# Altium PCB PCB2_dirt_routed.PcbDoc (part 2 of 2)
Units mm, origin at the board's own origin, x right, y up, seen from the top; angles counter-clockwise.
Board outline 72 x 72 mm, 4 copper layers (Top Layer, Signal Layer 1, Signal Layer 2, Bottom Layer), stack 0.778 mm thick; 110 components, 127 nets, 562 pads, 275 vias.
Unrouted connection lines stored in the file: 10.
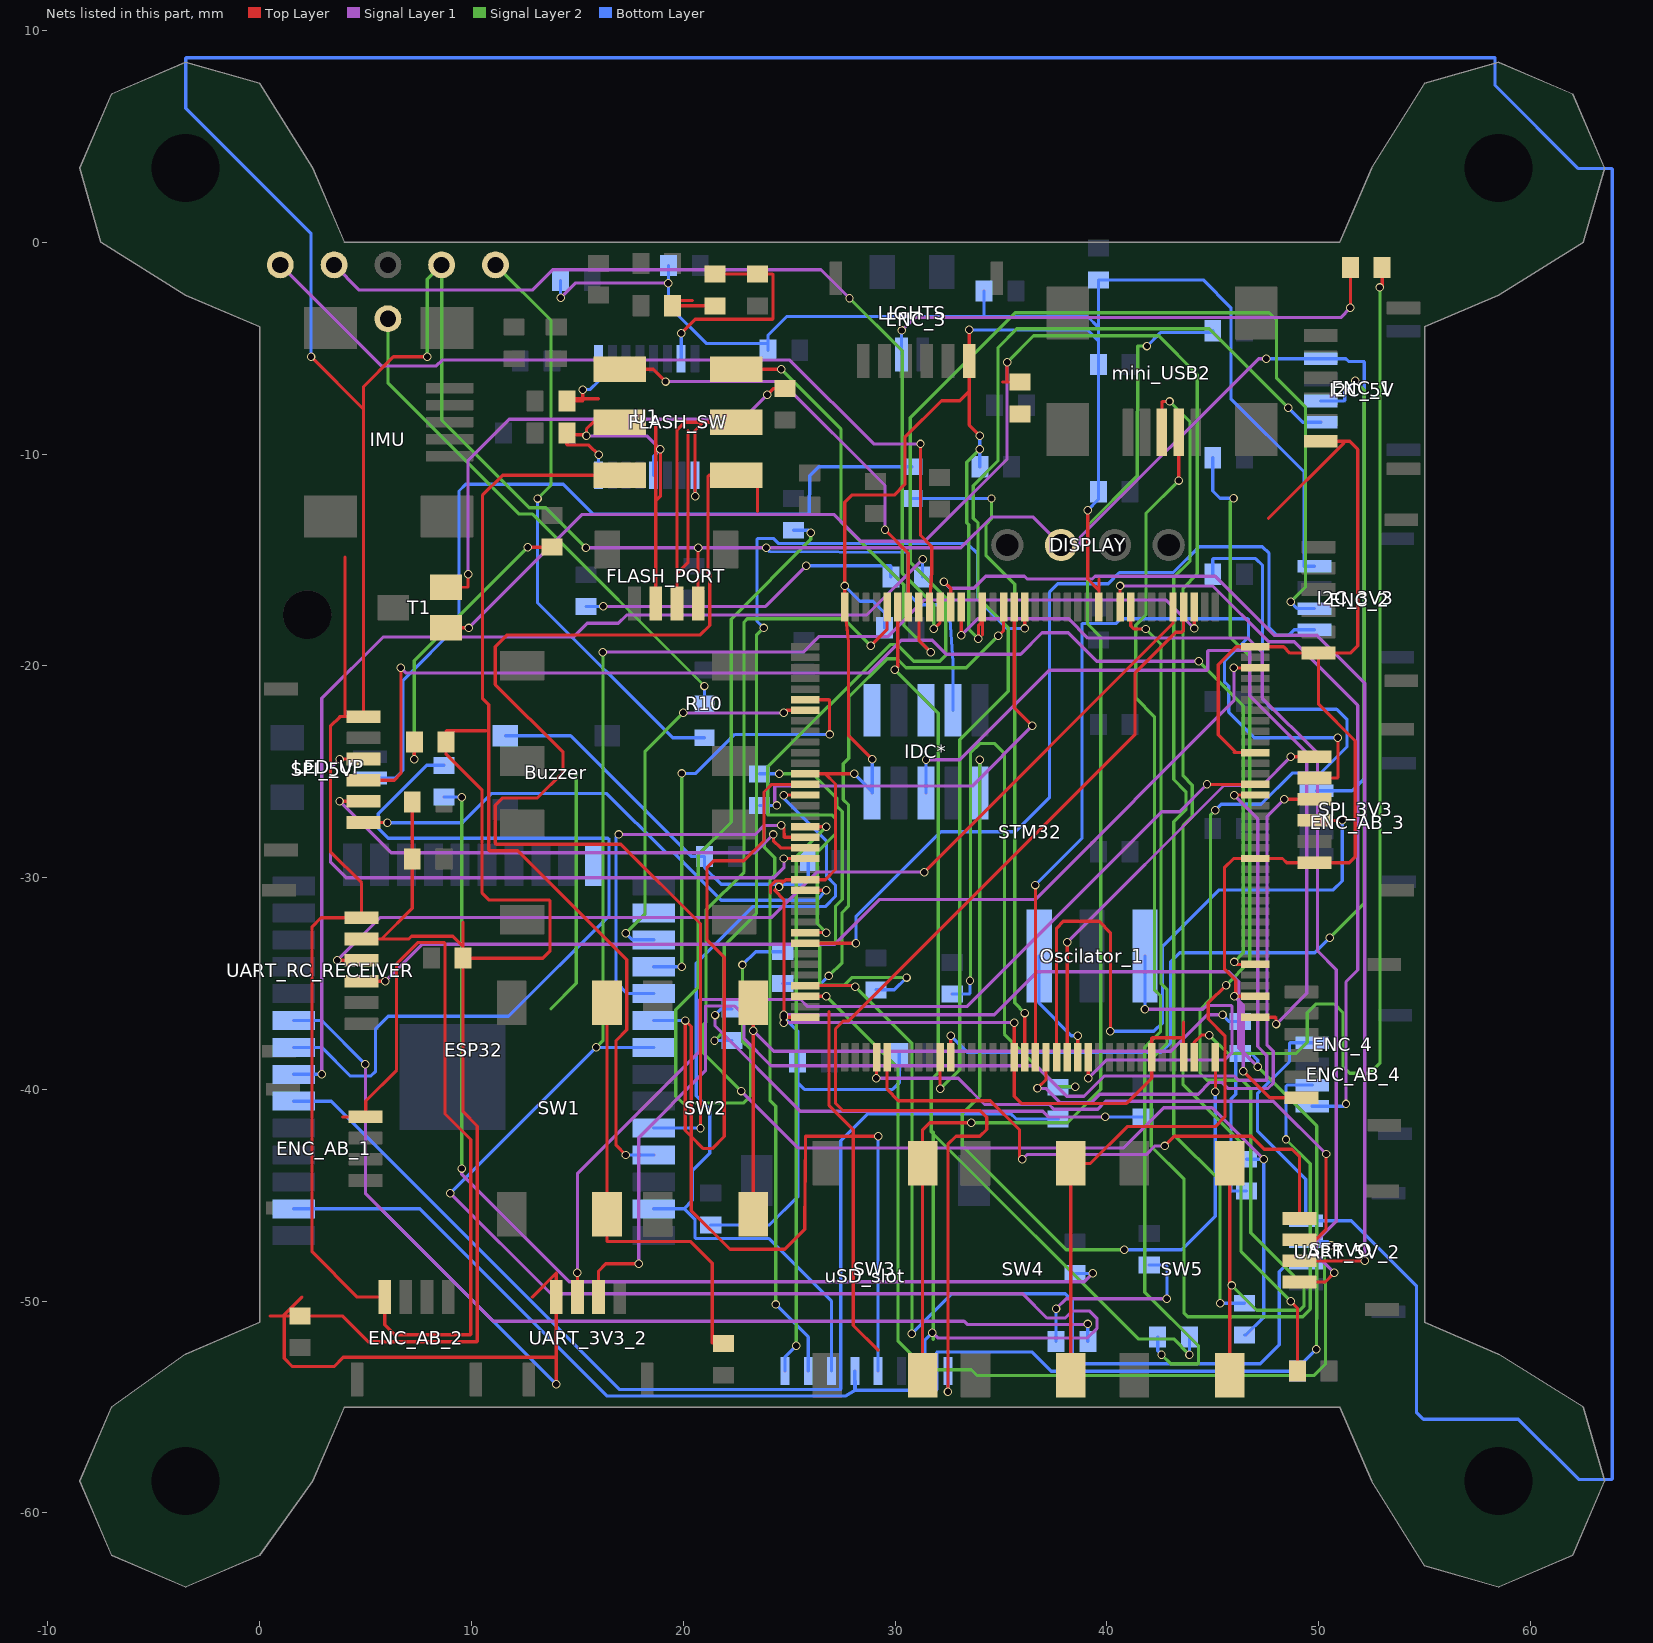
[diagram p4: the nets of this part, all layers, seen from the top]

## Via types
v1: diameter 0.4, hole 0.3, Top Layer to Bottom Layer, 275 vias

## Nets (pads, with @x,y where several pads share a name; then routed paths per layer and width w, separated by ;. In a path a pad name is that pad's centre, name@x,y a point inside that pad or via, vN(x,y) a via of type N, cw(c..) or ccw(c..) an arc to the next point about the centre after c; other vN are vias at no path point) (continued)
NetENC_AB_4_3: ENC_AB_4.3 STM32.81 | length 53.8
  Top Layer w0.152: STM32.81@41.125,-17.225 41.125,-18.11 41.277,-18.263 v1(41.843,-18.263)
  Signal Layer 2 w0.152: v1(41.843,-18.263) 42.551,-18.971 42.551,-34.989 42.838,-35.276 42.838,-37.846 42.097,-38.587 42.097,-42.697 43.647,-44.247 43.647,-50.571 43.815,-50.74 49.248,-50.74 49.61,-50.378 49.61,-43.517 v1(48.46,-42.367)
  Bottom Layer w0.152: v1(48.46,-42.367) 48.46,-39.853 48.513,-39.8 ENC_AB_4.3@49.7,-39.8
NetENC_AB_4_4: ENC_AB_4.4 STM32.82 | length 35.2
  Top Layer w0.152: STM32.82@40.625,-17.225 v1(40.624,-16.231)
  Signal Layer 1 w0.152: v1(40.624,-16.231) 45.01,-16.231 47.645,-18.865 48.847,-18.865 51.851,-21.869 51.851,-34.366 51.292,-34.925 v1(51.292,-40.691)
  Bottom Layer w0.152: ENC_AB_4.4@49.7,-40.8 51.183,-40.8 v1(51.292,-40.691)
NetESP32_6: ESP32.6 R6?.1 | length 54.1
  Bottom Layer w0.152: ESP32.6@1.6,-40.56 3.384,-40.56 17.003,-54.179 27.413,-54.179 27.439,-54.153 27.439,-42.421 28.712,-41.148 35.468,-41.148 35.72,-41.4 R6?.1@37.7,-41.4
NetESP32_7: ESP32.7 R7?.1 | length 51
  Signal Layer 1 w0.152: v1(2.931,-39.29) 2.931,-21.531 5.818,-18.644 14.812,-18.644 15.469,-17.986 16.936,-17.986 17.32,-17.602 28.658,-17.602 v1(31.3,-14.961)
  Bottom Layer w0.152: ESP32.7@1.6,-39.29 v1(2.931,-39.29) ; R7?.1@31.3,-15.8 v1(31.3,-14.961)
NetESP32_8: ESP32.8 R8.1 | length 39.2
  Bottom Layer w0.152: ESP32.8@1.6,-38.02 2.927,-38.02 4.277,-39.37 5.242,-39.37 5.471,-39.141 5.471,-37.148 6.068,-36.551 11.744,-36.551 16.494,-31.801 16.494,-28.194 16.443,-28.143 6.068,-28.143 5.598,-27.673 5.598,-26.986 7.884,-24.7 R8.1@8.7,-24.7
NetESP32_9: ESP32.9 R9.1 | length 47.8
  Signal Layer 1 w0.152: v1(4.988,-38.807) 4.988,-44.907 11.033,-50.952 33.258,-50.952 33.407,-51.102 39.078,-51.102 v1(39.1,-51.079)
  Bottom Layer w0.152: ESP32.9@1.6,-36.75 2.931,-36.75 v1(4.988,-38.807) ; R9.1@39.1,-51.9 v1(39.1,-51.079)
NetESP32_24: ESP32.24
NetESP32_26: ESP32.26
NetESP32_27: ESP32.27 STM32.115 | length 18.8
  Top Layer w0.152: v1(24.749,-22.225) 24.874,-22.1 STM32.115@25.75,-22.1
  Signal Layer 1 w0.152: v1(19.999,-22.225) v1(24.749,-22.225)
  Signal Layer 2 w0.152: v1(17.282,-32.623) 18.196,-31.708 18.196,-24.028 v1(19.999,-22.225)
  Bottom Layer w0.152: v1(17.282,-32.623) 17.599,-32.94 ESP32.27@18.6,-32.94
NetESP32_28: ESP32.28 STM32.114 | length 21
  Top Layer w0.152: STM32.114@25.75,-21.6 26.883,-21.6 26.908,-21.625 v1(26.908,-23.241)
  Signal Layer 2 w0.152: v1(19.923,-34.21) v1(19.923,-25.082)
  Bottom Layer w0.152: ESP32.28@18.6,-34.21 v1(19.923,-34.21) ; v1(19.923,-25.082) 20.596,-25.082 22.438,-23.241 v1(26.908,-23.241)
NetESP32_29: ESP32.29 STM32.127 uSD_slot.2 | length 58.1
  Top Layer w0.152: v1(24.622,-27.536) v1@24.749,-27.663 ; STM32.127@25.75,-28.1 24.775,-28.1 ; v1@24.749,-27.663 24.775,-28.1 ; v1@24.749,-27.663 24.749,-28.074 24.775,-28.1
  Signal Layer 1 w0.152: v1(16.951,-27.965) 23.397,-27.965 23.826,-27.536 v1(24.622,-27.536)
  Signal Layer 2 w0.152: 13.751,-36.196 14.949,-34.997 ; 14.945,-35.001 14.945,-25.146 ; v1(24.368,-50.157) 24.368,-40.792 24.089,-40.513 24.089,-30.099 24.317,-29.87 24.317,-29.058 23.826,-28.566 23.826,-27.571 23.86,-27.536 v1(24.622,-27.536)
  Bottom Layer w0.152: v1(16.951,-27.965) 16.824,-28.092 16.824,-34.947 17.358,-35.48 ESP32.29@18.6,-35.48 ; v1(24.368,-50.157) 25.9,-51.689 uSD_slot.2@25.9,-53.3
NetESP32_30: ESP32.30 STM32.122 uSD_slot.5 | length 81.2
  Top Layer w0.152: STM32.122@25.75,-25.6 24.168,-25.6 23.809,-25.959 23.809,-28.258 22.857,-29.21 21.435,-29.21 21.117,-29.527 21.117,-32.944 21.93,-33.757 21.93,-42.227 21.358,-42.799 20.952,-42.799 20.38,-42.227 ; 26.883,-36.322 26.883,-40.767 28.026,-41.91 28.026,-42.215 ; 29.2,-52.324 28.026,-51.15 28.026,-42.215 ; v1(29.2,-42.215) 28.026,-42.215 ; 20.38,-42.227 20.38,-37.033 v1(20.097,-36.75) 20.097,-41.944 20.38,-42.227 ; 20.38,-42.227 20.38,-45.724 22.205,-47.549 24.8,-47.549 25.74,-46.609 25.765,-42.215 28.026,-42.215
  Bottom Layer w0.152: ESP32.30@18.6,-36.75 v1(20.097,-36.75) ; uSD_slot.5@29.2,-53.3 v1(29.2,-42.215)
NetESP32_31: ESP32.31 STM32.75 uSD_slot.7 | length 115.3
  Top Layer w0.152: v1(44.125,-18.237) STM32.75@44.125,-17.225
  Signal Layer 1 w0.152: v1(8.999,-44.905) 13.751,-49.657 36.03,-49.657 37.17,-50.797 38.037,-50.797 38.364,-50.47 39.202,-50.47 39.532,-50.8 39.532,-51.295 39.088,-51.74 32.01,-51.74 v1(31.756,-51.486) ; v1(16.202,-19.355) 25.664,-19.355 26.397,-18.621 29.648,-18.621 31.379,-16.891 42.779,-16.891 v1(44.125,-18.237)
  Signal Layer 2 w0.152: v1(15.885,-38.02) 16.202,-37.703 v1(16.202,-19.355) ; 31.806,-51.816 31.806,-42.016
  Bottom Layer w0.152: v1(8.999,-44.905) v1(15.885,-38.02) ESP32.31@18.6,-38.02 ; uSD_slot.7@31.4,-53.3 31.4,-51.841 v1(31.756,-51.486)
NetESP32_34: ESP32.34 FLASH_SW.6 | length 56.7
  Top Layer w0.152: v1(20.812,-41.83) 20.812,-32.184 17.053,-28.425 11.149,-28.425 11.122,-28.397 11.122,-26.594 11.477,-26.238 13.116,-26.238 14.323,-25.032 14.323,-24.087 11.122,-20.886 11.122,-19.101 11.68,-18.542 20.8,-18.542 21.244,-18.098 21.244,-15.694 21.171,-15.621 21.171,-11.047 21.219,-11 FLASH_SW.6@22.5,-11 ; 23.505,-12.713 FLASH_SW.6@23.505,-11
  Bottom Layer w0.152: ESP32.34@18.6,-41.83 v1(20.812,-41.83)
NetESP32_35: ESP32.35 FLASH_SW.3 | length 43.4
  Top Layer w0.152: FLASH_SW.3@17,-11 11.465,-11 10.512,-11.953 10.512,-21.534 10.817,-21.839 10.817,-28.702 10.844,-28.73 12.178,-28.73 17.332,-33.884 17.332,-37.186 16.824,-37.694 16.824,-42.643 v1(17.282,-43.1)
  Bottom Layer w0.152: v1(17.282,-43.1) ESP32.35@18.6,-43.1
NetESP32_37: ESP32.37 STM32.123 uSD_slot.3 | length 41
  Top Layer w0.152: v1(24.749,-26.111) 24.76,-26.1 STM32.123@25.75,-26.1
  Bottom Layer w0.152: ESP32.37@18.6,-45.64 20.038,-45.64 ; v1(24.749,-26.111) 24.749,-26.264 26.756,-28.27 26.756,-29.921 27.184,-30.35 27.184,-30.893 26.705,-31.372 23.273,-31.372 20.609,-34.036 20.609,-40.31 21.244,-40.945 21.244,-43.028 20.431,-43.84 20.431,-45.246 20.038,-45.64 ; uSD_slot.3@27,-53.3 27,-50.013 24.028,-47.041 20.584,-47.041 20.558,-47.015 20.558,-46.161 20.038,-45.64
NetFLASH_PORT_2: FLASH_PORT.2 FLASH_SW.5 U1.1 | length 22.7
  Top Layer w0.152: FLASH_PORT.2@19.7,-17.05 19.7,-15.646 ; 20.228,-8.89 20.228,-15.118 19.7,-15.646 ; v1(20.558,-11.989) 20.558,-8.89 20.948,-8.5 ; FLASH_SW.5@22.5,-8.5 20.948,-8.5 ; 19.7,-15.646 19.7,-8.876 20.076,-8.5 20.948,-8.5
  Bottom Layer w0.152: U1.1@20.55,-11 20.55,-11.981 v1(20.558,-11.989)
NetFLASH_PORT_3: FLASH_PORT.3 FLASH_SW.2 U1.4 | length 18
  Top Layer w0.152: v1(15.427,-9.144) 15.427,-8.813 15.74,-8.5 FLASH_SW.2@17,-8.5 ; FLASH_PORT.3@18.7,-17.05 18.7,-12.217 ; 18.7,-8.699 18.7,-12.217 ; v1(18.918,-9.779) 18.918,-11.999 18.7,-12.217
  Signal Layer 1 w0.152: v1(15.427,-9.144) 18.283,-9.144 v1(18.918,-9.779)
  Bottom Layer w0.152: U1.4@18.6,-11 18.6,-10.096 v1(18.918,-9.779)
NetI2C_3V3_3: I2C_3V3.3 STM32.136 | length 70.5
  Top Layer w0.152: STM32.136@25.75,-32.6 v1(26.756,-32.6)
  Signal Layer 2 w0.152: v1(26.756,-32.6) 26.324,-32.168 26.324,-28.804 27.184,-27.943 27.184,-27.203 27.032,-27.051 24.013,-27.051 23.987,-27.026 23.987,-24.777 29.765,-18.999 30.1,-18.999 30.884,-19.783 32.115,-19.783 32.395,-19.504 32.395,-16.789 30.718,-15.113 30.718,-8.28 35.671,-3.327 47.66,-3.327 48.016,-3.683 48.016,-6.426 49.384,-7.795 49.384,-16.272 v1(48.676,-16.98)
  Bottom Layer w0.152: v1(48.676,-16.98) 48.996,-17.3 I2C_3V3.3@49.8,-17.3
NetI2C_3V3_4: I2C_3V3.4 STM32.137 | length 42.1
  Top Layer w0.152: STM32.137@25.75,-33.1 v1(28.153,-33.1)
  Bottom Layer w0.152: v1(28.153,-33.1) 28.153,-31.852 32.166,-27.838 35.671,-27.838 37.297,-26.213 37.297,-16.51 37.684,-16.123 40.065,-16.123 40.593,-15.595 43.139,-15.595 44.358,-14.376 47.343,-14.376 47.66,-14.694 47.66,-18.205 48.016,-18.56 48.585,-18.56 48.846,-18.3 I2C_3V3.4@49.8,-18.3
NetI2C_5V_3: I2C_5V.3 STM32.11 | length 53.1
  Top Layer w0.152: v1(32.623,-37.465) 32.625,-37.467 STM32.11@32.625,-38.475
  Signal Layer 2 w0.152: v1(50.53,-32.842) 52.156,-31.217 52.156,-6.979 v1(51.724,-6.548)
  Bottom Layer w0.152: v1(32.623,-37.465) 33.411,-38.252 42.555,-38.252 43.015,-37.792 43.015,-33.972 43.438,-33.55 49.822,-33.55 v1(50.53,-32.842) ; I2C_5V.3@50.1,-7.5 51.202,-7.5 51.234,-7.468 51.234,-7.037 v1(51.724,-6.548)
NetI2C_5V_4: I2C_5V.4 STM32.10 | length 56.4
  Top Layer w0.152: STM32.10@32.125,-38.475 32.125,-39.964 v1(32.141,-39.98)
  Signal Layer 2 w0.152: v1(32.141,-39.98) 33.055,-39.065 33.055,-23.495 35.341,-21.209 35.341,-18.212 33.919,-16.789 33.919,-13.256 33.693,-13.03 33.693,-11.49 34.858,-10.324 34.858,-4.982 35.751,-4.089 44.831,-4.089 v1(48.564,-7.823)
  Bottom Layer w0.152: v1(48.564,-7.823) 49.241,-8.5 I2C_5V.4@50.1,-8.5
NetIDC*_1: IDC*.1 STM32.36 | length 42.3
  Top Layer w0.152: v1(45.121,-40.106) 45.125,-40.102 STM32.36@45.125,-38.475
  Signal Layer 2 w0.152: v1(34,-24.435) 34,-40.324 33.173,-41.151 33.173,-42.663 38.084,-47.574 v1(40.827,-47.574)
  Bottom Layer w0.152: IDC*.1@34,-26 v1(34,-24.435) ; v1(40.827,-47.574) 43.545,-47.574 45.121,-45.999 v1(45.121,-40.106)
NetIDC*_3: IDC*.3 STM32.37 | length 40.1
  Top Layer w0.152: STM32.37@47,-36.6 47.965,-36.6 47.99,-36.625 v1(47.99,-36.918)
  Signal Layer 1 w0.152: v1(31.46,-24.435) 33.058,-24.435 37.278,-20.215 44.714,-20.215 44.761,-20.168 44.761,-19.307 44.79,-19.279 46.72,-19.279 46.746,-19.304 46.746,-21.412 49.438,-24.105 49.438,-35.47 v1(47.99,-36.918)
  Bottom Layer w0.152: IDC*.3@31.46,-26 v1(31.46,-24.435)
NetIDC*_8: IDC*.8
NetIDC*_10: IDC*.10
NetIMU_1: IMU.1 STM32.100 | length 41.9
  Top Layer w0.152: v1(31.201,-9.525) 31.201,-13.843 31.734,-14.376 31.734,-15.537 STM32.100@31.625,-17.225
  Signal Layer 1 w0.152: IMU.1@0.97,-1.07 5.739,-5.839 8.338,-5.839 8.614,-5.563 25.031,-5.563 28.993,-9.525 v1(31.201,-9.525)
NetIMU_2: IMU.2 STM32.99 | length 44.2
  Top Layer w0.152: v1(31.83,-18.253) 32.125,-17.958 STM32.99@32.125,-17.225
  Signal Layer 1 w0.152: IMU.2@3.51,-1.07 4.701,-2.261 12.862,-2.261 13.827,-1.295 26.502,-1.295 v1(27.848,-2.642)
  Signal Layer 2 w0.152: v1(27.848,-2.642) 30.337,-5.131 30.337,-15.621 31.83,-17.114 v1(31.83,-18.253)
NetIMU_5: IMU.5 R10.1 | length 27.8
  Signal Layer 2 w0.152: IMU.5@11.13,-1.07 13.751,-3.691 13.751,-11.468 v1(13.116,-12.103)
  Bottom Layer w0.152: v1(13.116,-12.103) 13.116,-17.018 19.498,-23.4 R10.1@21,-23.4
NetIMU_6: IMU.6 R10.2 | length 24.8
  Signal Layer 2 w0.152: IMU.6@6.05,-3.61 6.05,-6.634 12.252,-12.836 12.882,-12.836 v1(21,-20.955)
  Bottom Layer w0.152: R10.2@21,-21.8 v1(21,-20.955)
NetLD1_2: LD1.2 R4.1 | length 2.9
  Top Layer w0.152: LD1.2@19.5,-3 R4.1@21.5,-3 ; LD1.2@19.5,-2.745 20.433,-2.745
NetLD2_2: LD2.2 R11.1 | length 14.2
  Top Layer w0.152: v1(7.299,-24.413) LD2.2@7.3,-23.6 ; v1(12.659,-14.4) R11.1@13.8,-14.4
  Signal Layer 2 w0.152: v1(7.299,-24.413) 7.299,-19.759 v1(12.659,-14.4)
NetLD3_1: LD3.1 R6?.2 | length 32.7
  Signal Layer 2 w0.152: v1(33.538,-34.874) 33.563,-34.849 33.563,-24.117 34.008,-23.673 34.706,-23.673 35.163,-24.13 35.163,-37.389 37.652,-39.878 v1(38.516,-39.878)
  Bottom Layer w0.152: LD3.1@32.7,-35.5 33.512,-35.5 33.538,-35.475 v1(33.538,-34.874) ; R6?.2@37.7,-39.9 38.494,-39.9 v1(38.516,-39.878)
NetLD4_1: LD4.1 R7?.2 | length 15.7
  Signal Layer 1 w0.152: v1(16.219,-17.196) 23.886,-17.196 v1(25.803,-15.278)
  Bottom Layer w0.152: LD4.1@15.4,-17.2 16.215,-17.2 v1(16.219,-17.196) ; v1(25.803,-15.278) 29.787,-15.278 29.8,-15.291 R7?.2@29.8,-15.8
NetLD5_1: LD5.1 R8.2 | length 51.5
  Signal Layer 1 w0.152: v1(9.535,-43.739) 9.535,-44.011 14.606,-49.082 38.938,-49.082 v1(39.329,-48.692)
  Signal Layer 2 w0.152: v1(9.535,-43.739) v1(9.535,-26.2)
  Bottom Layer w0.152: R8.2@8.7,-26.2 v1(9.535,-26.2) ; LD5.1@38.5,-48.7 39.321,-48.7 v1(39.329,-48.692)
NetLD6_1: LD6.1 R9.2 | length 9.4
  Signal Layer 1 w0.152: v1(37.6,-50.368) 38.083,-49.886 v1(42.834,-49.886)
  Bottom Layer w0.152: R9.2@37.6,-51.9 v1(37.6,-50.368) ; LD6.1@42,-48.3 42.809,-48.3 42.834,-48.325 v1(42.834,-49.886)
NetLD7_1: LD7.1 R?7.2 | length 42.4
  Signal Layer 2 w0.152: v1(22.793,-34.125) 22.793,-37.719 23.174,-38.1 23.174,-40.322 22.857,-40.64 19.961,-40.64 19.644,-40.322 19.644,-36.246 20.711,-35.179 20.711,-28.931 22.26,-27.381 22.26,-17.793 26.019,-14.034 v1(26.019,-13.716)
  Bottom Layer w0.152: v1(22.793,-34.125) 23.419,-33.5 R?7.2@24.7,-33.5 ; LD7.1@25.2,-13.6 25.903,-13.6 v1(26.019,-13.716)
NetLD8_1: LD8.1 R8?.2 | length 19.8
  Signal Layer 2 w0.152: v1(24.525,-25.1) 26.1,-25.1 27.246,-26.246 27.246,-26.623 27.502,-26.879 27.502,-31.036 27.188,-31.35 27.188,-33.02 27.111,-33.096 26.467,-33.096 26.442,-33.122 26.442,-35.019 26.5,-35.077 27.594,-35.077 27.95,-34.722 v1(30.54,-34.722)
  Bottom Layer w0.152: R8?.2@23.6,-25.1 v1(24.525,-25.1) ; LD8.1@29.1,-35.3 29.962,-35.3 v1(30.54,-34.722)
NetLD9_1: LD9.1 R9?.2 | length 23.4
  Signal Layer 1 w0.152: v1(21.498,-36.492) 21.498,-37.007 25.525,-41.034 36.975,-41.034 37.241,-41.3 v1(39.927,-41.3)
  Bottom Layer w0.152: v1(21.498,-36.492) 21.79,-36.2 R9?.2@22.3,-36.2 ; v1(39.927,-41.3) LD9.1@41.7,-41.3
NetLED_UP_1: LED_UP.1 R68.2 | length 40.1
  Bottom Layer w0.152: LED_UP.1@5.2,-25.3 6.385,-25.3 6.766,-24.919 6.766,-20.676 9.408,-18.034 9.408,-11.747 9.725,-11.43 14.335,-11.43 15.754,-12.849 25.943,-12.849 25.968,-11.019 26.388,-10.6 R68.2@30.8,-10.6
NetLIGHTS_1: LIGHTS.1 R67.2 | length 24.7
  Top Layer w0.152: v1(51.5,-3.099) R67.2@51.5,-1.2
  Signal Layer 1 w0.152: v1(30.312,-4.166) 30.921,-3.556 51.043,-3.556 v1(51.5,-3.099)
  Bottom Layer w0.152: LIGHTS.1@30.3,-5.3 30.3,-4.177 v1(30.312,-4.166)
Netmini_USB2_2: mini_USB2.2 R47.2 | length 49.5
  Top Layer w0.152: v1(43.4,-11.252) mini_USB2.2@43.4,-8.965
  Signal Layer 2 w0.152: v1(42.58,-52.527) 43.012,-52.959 44.307,-52.959 44.333,-52.934 44.333,-52.121 41.793,-49.581 41.793,-38.021 42.533,-37.28 42.533,-35.581 42.247,-35.294 42.247,-22.403 41.361,-21.517 41.361,-18.085 41.843,-17.602 41.843,-12.809 v1(43.4,-11.252)
  Bottom Layer w0.152: R47.2@42.4,-51.7 42.4,-52.347 v1(42.58,-52.527)
Netmini_USB2_3: mini_USB2.3 R48.2 | length 47.6
  Top Layer w0.152: mini_USB2.3@42.6,-8.965 42.6,-7.544 42.625,-7.518 v1(42.961,-7.518)
  Signal Layer 2 w0.152: v1(42.961,-7.518) 43.926,-8.484 43.926,-15.062 43.164,-15.824 43.164,-25.37 43.733,-25.938 43.733,-26.794 43.164,-27.362 43.164,-42.139 45.349,-44.323 v1(45.349,-50.1)
  Bottom Layer w0.152: v1(45.349,-50.1) R48.2@46.5,-50.1
NetOscilator_1_1: Oscilator_1.1 STM32.24 | length 17.2
  Top Layer w0.152: v1(39.125,-39.472) STM32.24@39.125,-38.475
  Signal Layer 1 w0.152: v1(39.125,-39.472) 39.989,-38.608 45.577,-38.608 45.907,-38.278 45.907,-36.068 45.882,-36.043 44.714,-36.043 44.536,-36.22 v1(41.8,-36.22)
  Bottom Layer w0.152: v1(41.8,-36.22) Oscilator_1.1@41.8,-33.7
NetOscilator_1_3: Oscilator_1.3 STM32.23 | length 5.7
  Top Layer w0.152: STM32.23@38.625,-38.475 v1(38.625,-37.465)
  Bottom Layer w0.152: Oscilator_1.3@36.8,-33.7 36.8,-35.941 38.324,-37.465 v1(38.625,-37.465)
NetR1_1: RUSB.1 U1.9 | length 4.7
  Top Layer w0.152: RUSB.1@14.5,-7.5 15.224,-7.5 15.25,-7.475 15.25,-7.391 ; RUSB.1@14.5,-7.391 15.25,-7.391 ; v1(15.25,-6.96) 15.25,-7.391 ; 16,-7.391 15.25,-7.391
  Bottom Layer w0.152: v1(15.25,-6.96) 15.593,-6.96 16,-6.552 U1.9@16,-5.5
NetR2_1: R2.1 U1.8 | length 4.1
  Top Layer w0.152: R2.1@14.5,-9 R2.1@14.5,-9.093 ; 15.34,-9.093 R2.1@14.5,-9.093 ; v1(16,-10.033) 15.543,-9.576 14.525,-9.576 14.5,-9.55 R2.1@14.5,-9.093
  Bottom Layer w0.152: U1.8@16,-11 v1(16,-10.033)
NetR3_1: R3.1 R4.2 U1.15 | length 10.7
  Top Layer w0.152: v1(19.9,-4.29) 20.558,-3.632 24.216,-3.632 24.241,-3.607 24.241,-1.525 24.216,-1.5 R3.1@23.5,-1.5 22.489,-1.5 22.209,-1.5 R4.2@21.5,-1.5
  Bottom Layer w0.152: U1.15@19.9,-5.5 v1(19.9,-4.29)
NetR5_2: R5.2 T1.2 | length 23.4
  Top Layer w0.152: T1.2@8.8,-16.3 9.839,-16.275 v1(9.839,-15.672) ; v1(23.962,-7.201) 24.263,-6.9 R5.2@24.8,-6.9
  Signal Layer 1 w0.152: v1(9.839,-15.672) 9.839,-10.3 11.783,-8.357 22.806,-8.357 v1(23.962,-7.201)
NetR6_1: R6.1
NetR6_2: R6.2 R7.2 T1.1 | length 97.4
  Top Layer w0.152: T1.1@8.8,-18.2 9.853,-18.2 v1(9.865,-18.212) ; 35.073,-6.6 35.316,-6.6 ; v1(35.29,-5.664) 35.29,-6.575 35.316,-6.6 ; R6.2@35.9,-6.6 35.316,-6.6 ; v1(48.683,-50.006) 49,-50.324 R7.2@49,-53.3
  Signal Layer 1 w0.152: v1(9.865,-18.212) 15.224,-12.852 27.111,-12.852 28.381,-14.122 31.404,-14.122 35.29,-10.236 v1(35.29,-5.664)
  Signal Layer 2 w0.152: v1(35.29,-5.664) 36.535,-4.42 42.441,-4.42 44.267,-6.246 44.267,-15.661 43.599,-16.329 43.599,-25.194 44.037,-25.632 44.037,-27.099 43.599,-27.537 43.599,-39.781 46.339,-42.521 46.339,-47.663 v1(48.683,-50.006)
NetR8?_1: R8?.1 STM32.92 | length 21.1
  Top Layer w0.152: STM32.92@35.625,-17.225 35.625,-21.976 v1(36.484,-22.835)
  Signal Layer 1 w0.152: v1(24.419,-26.594) 24.317,-26.492 24.317,-25.705 24.343,-25.679 33.639,-25.679 v1(36.484,-22.835)
  Bottom Layer w0.152: R8?.1@23.6,-26.6 24.413,-26.6 v1(24.419,-26.594)
NetR9?_1: R9?.1 STM32.91 | length 42.3
  Top Layer w0.152: STM32.91@36.125,-17.225 36.125,-18.234 v1(36.128,-18.237)
  Signal Layer 2 w0.152: v1(21.473,-37.7) 21.93,-37.243 21.93,-33.223 23.454,-31.699 23.454,-18.555 v1(23.797,-18.212)
  Bottom Layer w0.152: v1(21.473,-37.7) R9?.1@22.3,-37.7 ; v1(23.797,-18.212) 23.479,-17.894 23.479,-14.021 23.505,-13.995 24.268,-13.995 24.501,-14.229 33.415,-14.229 33.894,-14.707 33.894,-16.854 35.277,-18.237 v1(36.128,-18.237)
NetR22_2: R22.2 SW3.3 SW3.4 | length 61
  Top Layer w0.152: SW3.3@31.3,-53.5 31.3,-52.245 31.3,-48.514 SW3.4@31.3,-43.5 31.3,-41.91 31.63,-41.58 v1(33.601,-41.58)
  Signal Layer 2 w0.152: v1(33.601,-41.58) 38.142,-41.58 39.716,-40.005 39.716,-18.65 39.085,-18.018 39.085,-13.376 41.437,-11.024 41.462,-4.902 v1(41.894,-4.902)
  Bottom Layer w0.152: v1(41.894,-4.902) 42.529,-4.267 45,-4.267 R22.2@45,-4.179
NetR24_2: R24.2 SW4.3 SW4.4 | length 53.3
  Top Layer w0.152: SW4.3@38.3,-53.5 38.3,-48.514 38.3,-45.123 ; v1(45.628,-35.077) 44.79,-35.916 44.79,-36.678 45.577,-37.465 45.577,-41.3 45.12,-41.758 40.954,-41.758 39.212,-43.5 SW4.4@38.3,-43.5 ; 38.3,-45.123 SW4.4@38.3,-43.5 ; 38.3,-45.123 38.3,-45.11 SW4.4@38.3,-43.5
  Signal Layer 2 w0.152: v1(45.628,-35.077) 46.746,-33.96 46.746,-19.558 45.831,-18.644 45.831,-12.243 v1(45.984,-12.09)
  Bottom Layer w0.152: R24.2@45,-10.179 45,-11.747 45.343,-12.09 v1(45.984,-12.09)
NetR26_2: R26.2 SW5.3 SW5.4 | length 63.5
  Top Layer w0.152: SW5.3@45.8,-53.5 v1@45.8,-49.354 ; SW5.4@45.8,-43.5 45.8,-48.514 45.8,-49.261 v1@45.8,-49.354 ; v1(45.893,-49.261) v1@45.8,-49.354
  Signal Layer 2 w0.152: v1(45.12,-26.822) 44.891,-27.051 44.891,-35.736 44.399,-36.228 44.399,-39.234 44.739,-39.573 46.39,-39.573 46.796,-39.98 46.796,-46.768 49.305,-49.276 49.305,-50.238 49.108,-50.435 47.066,-50.435 v1(45.893,-49.261)
  Bottom Layer w0.152: R26.2@45,-15.679 45,-14.961 45.026,-14.935 47.025,-14.935 47.355,-15.265 47.355,-21.59 47.812,-22.047 50.848,-22.047 51.343,-22.543 51.343,-23.812 50.089,-25.067 48.755,-25.067 47.279,-26.543 45.399,-26.543 v1(45.12,-26.822)
NetR42_2: R42.2 SW1.3 SW1.4 | length 21
  Top Layer w0.152: SW1.4@16.4,-35.9 16.4,-40.919 SW1.3@16.4,-45.9 16.4,-47.168 20.355,-47.193 21.371,-48.209 21.371,-51.975 R42.2@21.9,-52
NetR47_1: R47.1 STM32.103 | length 43.2
  Top Layer w0.152: v1(29.982,-20.185) 30.125,-20.042 STM32.103@30.125,-17.225
  Signal Layer 2 w0.152: v1(29.982,-20.185) 32.039,-22.243 32.039,-39.224 31.712,-39.551 31.712,-42.015 41.484,-51.787 43.16,-51.787 v1(43.9,-52.527)
  Bottom Layer w0.152: v1(43.9,-52.527) R47.1@43.9,-51.7
NetR48_1: R48.1 R49.2 STM32.104 | length 69.6
  Top Layer w0.152: v1(28.851,-19.05) 29.625,-18.276 STM32.104@29.625,-17.729 ; STM32.104@29.55,-17.729 STM32.104@29.625,-17.729 ; STM32.104@29.625,-17.225 STM32.104@29.625,-17.729
  Signal Layer 1 w0.152: v1(22.743,-40.081) 25.435,-42.774 40.777,-42.774 42.678,-40.872 44.971,-40.872 v1(47.406,-43.307)
  Signal Layer 2 w0.152: v1(22.743,-40.081) 20.969,-38.308 20.969,-36.927 21.066,-36.83 21.066,-31.547 22.87,-29.743 22.87,-17.932 23.022,-17.78 27.581,-17.78 v1(28.851,-19.05)
  Bottom Layer w0.152: R48.1@46.5,-51.6 46.568,-51.6 47.406,-50.762 v1(47.406,-43.307) 47.399,-43.3 R49.2@46.6,-43.3
NetR52_2: R52.2 SW2.3 SW2.4 | length 34.2
  Top Layer w0.152: SW2.3@23.3,-45.9 23.3,-43.51 23.3,-40.919 v1(23.3,-37.235) SW2.4@23.3,-35.9
  Signal Layer 1 w0.152: v1(23.3,-37.235) 24.263,-38.198 43.021,-38.198 44.737,-36.482 v1(45.463,-36.482)
  Bottom Layer w0.152: v1(45.463,-36.482) 45.78,-36.8 R52.2@46.3,-36.8
NetR67_1: R67.1 STM32.34 | length 52.4
  Top Layer w0.152: STM32.34@44.125,-38.475 44.125,-37.782 44.468,-37.44 v1(44.841,-37.44) ; v1(52.892,-2.134) 53,-2.026 R67.1@53,-1.2
  Signal Layer 2 w0.152: v1(44.841,-37.44) 45.704,-38.303 48.943,-38.303 49.463,-37.782 49.463,-36.386 49.883,-35.966 50.728,-35.966 51.153,-36.391 51.153,-38.925 51.47,-39.243 52.423,-39.243 52.892,-38.773 v1(52.892,-2.134)
NetR68_1: R68.1 STM32.18 | length 31
  Top Layer w0.152: STM32.18@36.125,-38.475 v1(36.125,-36.398)
  Signal Layer 2 w0.152: v1(34.554,-12.1) 34.554,-13.056 34.3,-13.31 34.3,-14.808 35.646,-16.154 35.646,-35.919 v1(36.125,-36.398)
  Bottom Layer w0.152: R68.1@30.8,-12.1 v1(34.554,-12.1)
NetR?7_1: R?7.1 STM32.93 | length 26.2
  Top Layer w0.152: v1(34.877,-18.581) 35.125,-18.334 STM32.93@35.125,-17.225
  Signal Layer 2 w0.152: v1(26.87,-34.646) 27.498,-34.018 27.498,-31.649 27.807,-31.34 27.807,-26.574 27.551,-26.318 27.551,-24.631 27.816,-24.366 27.816,-21.473 29.627,-19.662 30.091,-19.662 30.517,-20.088 33.371,-20.088 v1(34.877,-18.581)
  Bottom Layer w0.152: R?7.1@24.7,-35 26.516,-35 v1(26.87,-34.646)
NetSERVO_1: SERVO.1 STM32.97 | length 49.8
  Top Layer w0.152: STM32.97@33.125,-17.225 33.125,-18.549 v1(33.131,-18.555) ; SERVO.1@49.1,-49.1 50.3,-49.1 v1(50.733,-48.666)
  Signal Layer 1 w0.152: v1(33.131,-18.555) 33.906,-17.78 38.196,-17.78 39.108,-18.691 46.664,-18.691 47.34,-19.367 47.34,-21.524 49.953,-24.137 49.953,-33.467 50.835,-34.349 50.835,-46.228 49.883,-47.18 49.883,-47.816 v1(50.733,-48.666)
NetSERVO_2: SERVO.2 STM32.98 | length 54.1
  Top Layer w0.152: v1(32.307,-16.027) 32.625,-16.345 STM32.98@32.625,-17.225 ; SERVO.2@49.1,-48.1 v1(52.181,-48.1)
  Signal Layer 1 w0.152: v1(32.307,-16.027) 32.614,-16.334 33.713,-16.334 34.274,-15.773 36.113,-15.773 36.24,-15.9 39.313,-15.9 39.44,-15.773 45.115,-15.773 47.902,-18.56 49.914,-18.56 52.181,-20.828 v1(52.181,-48.1)
NetSERVO_3: SERVO.3 STM32.4 | length 29
  Top Layer w0.152: v1(29.118,-39.472) 29.125,-39.465 STM32.4@29.125,-38.475 ; SERVO.3@49.1,-47.1 49.86,-47.1 50.352,-46.608 v1(50.352,-43.053)
  Signal Layer 1 w0.152: v1(29.118,-39.472) 32.979,-39.472 34.223,-40.716 37.267,-40.716 37.489,-40.938 39.565,-40.938 39.936,-40.567 47.866,-40.567 v1(50.352,-43.053)
NetSERVO_4: SERVO.4 STM32.5 | length 26.9
  Top Layer w0.152: STM32.5@29.625,-38.475 29.625,-40.005 30.158,-40.538 34.503,-40.538 35.874,-41.91 35.874,-43.18 v1(36.001,-43.307) ; v1(42.732,-42.672) 43.19,-42.215 46.822,-42.215 47.431,-42.824 48.744,-42.824 49.1,-43.18 SERVO.4@49.1,-46.1
  Signal Layer 1 w0.152: v1(36.001,-43.307) 36.23,-43.078 41.869,-43.078 42.275,-42.672 v1(42.732,-42.672)
NetSPI_3V3_3: SPI_3V3.3 STM32.21 | length 33.8
  Top Layer w0.152: STM32.21@37.625,-38.475 37.625,-32.385 37.942,-32.067 39.634,-32.067 40.167,-32.601 v1(40.167,-37.259) ; SPI_3V3.3@49.8,-27.3 v1(51.114,-27.3)
  Bottom Layer w0.152: v1(40.167,-37.259) 42.224,-37.259 42.631,-36.852 42.631,-33.249 45.298,-30.582 50.695,-30.582 51.114,-30.162 v1(51.114,-27.3)
NetSPI_3V3_4: SPI_3V3.4 STM32.20 | length 29
  Top Layer w0.152: v1(36.723,-39.954) 37.125,-39.552 STM32.20@37.125,-38.475 ; v1(48.384,-26.3) SPI_3V3.4@49.8,-26.3
  Signal Layer 1 w0.152: v1(36.723,-39.954) 37.114,-39.954 37.794,-40.633 39.26,-40.633 39.665,-40.229 44.312,-40.229 44.866,-39.675 45.425,-39.675 45.704,-39.954 47.609,-39.954 47.86,-39.703 47.86,-38.205 47.558,-37.903 47.558,-27.125 v1(48.384,-26.3)
NetSPI_3V3_5: SPI_3V3.5 STM32.19 | length 42.9
  Top Layer w0.152: STM32.19@36.625,-38.475 v1(36.625,-30.352) ; SPI_3V3.5@49.8,-25.3 50.886,-25.3 50.911,-25.275 v1(50.911,-23.393)
  Bottom Layer w0.152: v1(36.625,-30.352) 38.821,-28.156 38.821,-18.034 38.846,-18.009 40.421,-18.009 40.646,-17.783 46.644,-17.783 46.692,-17.831 46.692,-18.64 45.552,-19.78 45.552,-20.752 45.755,-20.955 45.755,-22.187 46.962,-23.393 v1(50.911,-23.393)
NetSPI_3V3_6: SPI_3V3.6 STM32.22 | length 20.7
  Top Layer w0.152: STM32.22@38.125,-38.475 v1(38.125,-33.062) ; v1(48.684,-24.3) SPI_3V3.6@49.8,-24.3
  Signal Layer 1 w0.152: v1(38.125,-33.062) 45.533,-25.654 47.33,-25.654 v1(48.684,-24.3)
NetSPI_5V_3: SPI_5V.3 STM32.129 | length 29.5
  Top Layer w0.152: v1(3.769,-24.409) 3.778,-24.4 SPI_5V.3@4.9,-24.4 ; v1(24.749,-29.1) STM32.129@25.75,-29.1
  Signal Layer 1 w0.152: v1(3.769,-24.409) 3.337,-24.841 3.337,-29.261 4.09,-30.013 24.273,-30.013 24.749,-29.537 v1(24.749,-29.1)
NetSPI_5V_4: SPI_5V.4 STM32.42 | length 62.8
  Top Layer w0.152: SPI_5V.4@4.9,-25.4 6.347,-25.4 6.664,-25.082 v1(6.664,-20.091) ; v1(46.009,-33.985) 46.124,-34.1 STM32.42@47,-34.1
  Signal Layer 1 w0.152: v1(6.664,-20.091) 6.919,-20.346 28.736,-20.346 30.286,-18.796 31.76,-18.796 32.42,-19.456 35.925,-19.456 36.938,-18.444 38.183,-18.444 39.526,-19.787 v1(44.333,-19.787)
  Signal Layer 2 w0.152: v1(44.333,-19.787) 46.441,-21.895 46.441,-33.553 v1(46.009,-33.985)
NetSPI_5V_5: SPI_5V.5 STM32.128 | length 24.9
  Top Layer w0.152: v1(3.769,-26.4) SPI_5V.5@4.9,-26.4 ; v1(24.254,-27.965) 24.254,-28.258 24.597,-28.6 STM32.128@25.75,-28.6
  Signal Layer 1 w0.152: v1(3.769,-26.4) 6.201,-28.832 23.387,-28.832 v1(24.254,-27.965)
NetSPI_5V_6: SPI_5V.6 STM32.132 | length 25.7
  Top Layer w0.152: SPI_5V.6@4.9,-27.4 6.023,-27.4 v1(6.029,-27.407) ; STM32.132@25.75,-30.6 26.749,-30.6 v1(26.756,-30.607)
  Bottom Layer w0.152: v1(6.029,-27.407) 9.56,-27.407 10.932,-26.035 16.393,-26.035 19.168,-28.811 19.532,-28.811 21.789,-31.067 26.295,-31.067 v1(26.756,-30.607)
NetSTM32_58: STM32.58 UART_3V3_2.3 | length 61.2
  Top Layer w0.152: UART_3V3_2.3@16,-49.8 16,-48.578 16.343,-48.235 v1(17.891,-48.235) ; v1(46.009,-26.111) 46.02,-26.1 STM32.58@47,-26.1
  Signal Layer 1 w0.152: v1(17.891,-48.235) 17.891,-42.285 21.044,-39.132 21.044,-36.089 21.069,-36.064 22.423,-36.064 22.871,-36.512 22.871,-37.617 24.141,-38.887 36.657,-38.887 38.098,-40.329 38.922,-40.329 39.881,-39.37 46.009,-39.37 46.212,-39.573 47.53,-39.573 47.555,-39.548 47.555,-38.405 47.127,-37.976 47.127,-27.229 v1(46.009,-26.111)
NetSTM32_59: STM32.59 UART_3V3_2.2 | length 47.1
  Top Layer w0.152: UART_3V3_2.2@15,-49.8 v1(15,-48.654) ; v1(44.73,-25.6) STM32.59@47,-25.6
  Signal Layer 1 w0.152: v1(15,-48.654) 15,-43.988 20.739,-38.249 20.739,-35.789 20.769,-35.759 25.532,-35.759 25.867,-36.093 33.392,-36.093 42.595,-26.89 43.439,-26.89 v1(44.73,-25.6)
NetSTM32_70: STM32.70 UART_RC_RECEIVER.4 | length 49.2
  Top Layer w0.152: UART_RC_RECEIVER.4@4.8,-34.9 v1(5.928,-34.9) ; v1(46,-20.1) STM32.70@47,-20.1
  Signal Layer 1 w0.152: v1(5.928,-34.9) 7.68,-33.147 27.15,-33.147 29.258,-31.039 36.611,-31.039 46,-21.649 v1(46,-20.1)
NetSTM32_76: STM32.76 uSD_slot.8 | length 53.3
  Top Layer w0.152: v1(32.496,-54.28) 32.496,-42.596 32.877,-42.215 34.008,-42.215 34.325,-41.897 34.325,-41.313 34.008,-40.996 27.518,-40.996 27.188,-40.665 27.188,-37.148 27.565,-36.77 27.807,-36.77 41.335,-23.241 41.335,-20.334 43.254,-18.415 43.545,-18.415 43.625,-18.335 STM32.76@43.625,-17.225
  Bottom Layer w0.152: v1(32.496,-54.28) 32.5,-54.276 uSD_slot.8@32.5,-53.3
NetSTM32_77: STM32.77 UART_RC_RECEIVER.3 | length 47.9
  Top Layer w0.152: v1(3.667,-33.9) UART_RC_RECEIVER.3@4.8,-33.9 ; v1(31.378,-29.743) 43.125,-17.997 STM32.77@43.125,-17.225
  Signal Layer 1 w0.152: v1(3.667,-33.9) 5.678,-31.889 24.153,-31.889 26.299,-29.743 v1(31.378,-29.743)
NetSTM32_101: FLASH_SW.4 STM32.101 | length 20.8
  Top Layer w0.152: FLASH_SW.4@22.5,-6 v1(24.628,-6) ; STM32.101@31.125,-17.225 31.125,-18.796 v1(31.683,-19.355)
  Signal Layer 2 w0.152: v1(24.628,-6) 27.442,-8.814 27.442,-13.208 30.407,-16.173 30.407,-18.078 v1(31.683,-19.355)
NetSTM32_102: FLASH_SW.1 STM32.102 | length 21
  Top Layer w0.152: FLASH_SW.1@17,-6 18.583,-6 v1(19.161,-6.579) ; v1(29.524,-13.582) 30.625,-14.683 STM32.102@30.625,-17.225
  Signal Layer 1 w0.152: v1(19.161,-6.579) 24.622,-6.579 29.524,-11.481 v1(29.524,-13.582)
NetSTM32_126: STM32.126 uSD_slot.1 | length 27.5
  Top Layer w0.152: STM32.126@25.75,-27.6 v1(26.756,-27.6)
  Signal Layer 2 w0.152: v1(25.333,-52.108) 25.333,-29.022 v1(26.756,-27.6)
  Bottom Layer w0.152: uSD_slot.1@24.8,-53.3 24.8,-52.642 v1(25.333,-52.108)
NetSTM32_141: STM32.141 UART_5V_2.3 | length 46.1
  Top Layer w0.152: STM32.141@25.75,-35.1 28.074,-35.1 v1(28.127,-35.154)
  Signal Layer 2 w0.152: v1(28.127,-35.154) 30.794,-37.821 v1(30.794,-51.537)
  Bottom Layer w0.152: v1(30.794,-51.537) 32.674,-49.657 38.033,-49.657 38.364,-49.987 38.364,-52.553 38.77,-52.959 47.254,-52.959 48.143,-52.07 48.143,-48.616 48.558,-48.2 UART_5V_2.3@49.4,-48.2
NetSTM32_142: STM32.142 UART_5V_2.2 | length 46.8
  Top Layer w0.152: STM32.142@25.75,-35.6 v1(26.756,-35.6)
  Signal Layer 2 w0.152: v1(26.756,-35.6) 30.134,-38.978 30.134,-51.867 31.506,-53.238 33.61,-53.238 33.889,-53.518 49.771,-53.518 50.327,-52.962 50.327,-49.174 50.276,-49.124 50.276,-47.701 v1(50.606,-47.371)
  Bottom Layer w0.152: UART_5V_2.2@49.4,-47.2 50.435,-47.2 v1(50.606,-47.371)
VCC_3V3: Buzzer.2 C38.2 C39.2 C51.2 C70.2 C71.2 C72.2 C73.2 C74.2 C75.2 C76.2 C77.2 C78.2 C79.2 C80.2 ENC_1.1 ENC_2.1 ENC_3.1 ENC_4.1 ESP32.2 I2C_3V3.1 IDC*.5 LD2.1 R21.2 R23.2 R25.2 R31.2 R49.1 R52.1 R?.2 SPI_3V3.1 STM32.17 STM32.30 STM32.33 STM32.39 STM32.52 STM32.62 STM32.72 STM32.84 STM32.95 STM32.108 STM32.121 STM32.131 STM32.144 UART_3V3_2.1 UART_RC_RECEIVER.2 uSD_slot.4 | length 472.3
  Top Layer w0.152: 0.492,-50.7 1.1,-50.7 ; 1.991,-49.809 1.1,-50.7 ; UART_RC_RECEIVER.2@4.8,-32.9 5.75,-32.9 ; C39.2@7.2,-26.425 7.2,-27.788 C38.2@7.2,-29.125 7.2,-31.45 5.75,-32.9 ; 8.8,-23.089 LD2.1@8.8,-23.6 8.8,-24.181 10.5,-25.881 10.5,-30.734 10.83,-31.064 13.675,-31.064 13.7,-31.09 13.7,-33.477 13.37,-33.807 R?.2@9.6,-33.807 ; 8.825,-23.063 10.678,-23.063 ; 9.6,-32.106 9.6,-33.257 ; 12.864,-49.809 14,-48.673 UART_3V3_2.1@14,-49.8 14,-52.578 ; v1(14,-53.924) 14,-52.578 ; 24.114,-30.734 24.114,-30.404 24.359,-30.159 24.766,-30.159 ; v1(24.522,-30.442) v1@24.522,-30.404 ; v1(24.749,-36.855) 24.85,-36.651 v1@24.875,-36.6 ; v1(24.749,-36.601) 24.749,-36.6 v1@24.875,-36.6 ; STM32.144@25.75,-36.6 v1@24.875,-36.6 ; STM32.121@25.75,-25.1 26.705,-25.1 ; v1(27.619,-16.231) v1@27.625,-16.236 ; v1(28.077,-25.1) 26.705,-25.1 ; v1(28.92,-24.421) 27.807,-23.308 27.807,-18.867 STM32.108@27.625,-17.225 v1@27.625,-16.236 ; v1(33.5,-4.14) ENC_3.1@33.5,-5.6 33.5,-7.035 ; v1(33.935,-18.722) 33.935,-18.108 34.125,-17.918 ; v1(34,-9.136) 33.5,-8.636 33.5,-7.035 ; 34.125,-18.531 34.125,-17.918 ; STM32.95@34.125,-17.225 34.125,-17.918 ; v1(35.625,-36.855) 35.625,-37.473 STM32.17@35.625,-38.475 35.625,-40.322 35.968,-40.665 40.931,-40.665 42.125,-39.472 STM32.30@42.125,-38.475 42.125,-37.592 42.15,-37.567 43.6,-37.567 43.625,-37.592 ; v1(39.1,-12.647) 39.1,-15.9 39.625,-16.425 ; STM32.84@39.625,-17.225 39.625,-16.425 ; 39.625,-15.906 39.625,-16.425 ; 43.621,-37.465 43.625,-37.469 ; STM32.33@43.625,-38.475 43.625,-37.592 ; 43.625,-36.83 43.625,-37.469 ; v1@45.998,-35.6 v1@46.031,-35.6 ; 46.009,-24.1 46.106,-24.1 ; v1(46.02,-35.611) v1@46.031,-35.6 ; v1(46.443,-39.141) 47.702,-40.4 ENC_4.1@49.2,-40.4 ; STM32.39@47,-35.6 v1@46.085,-35.6 ; STM32.62@47,-24.1 46.106,-24.1 ; 47.632,-13.031 51.203,-9.46 ; ENC_1.1@50.1,-9.4 51.191,-9.4 ; 51.227,-9.436 51.191,-9.4 ; 1.1,-50.7 1.178,-50.7 ; 1.178,-50.7 R31.2@1.9,-50.7 3.897,-50.7 5.115,-51.918 10.246,-51.918 10.271,-51.892 10.271,-41.732 9.6,-41.061 R?.2@9.6,-33.807 ; 1.178,-50.7 1.153,-50.725 1.153,-52.705 1.534,-53.086 3.515,-53.086 3.945,-52.656 13.922,-52.656 14,-52.578 ; 5.75,-32.9 7.033,-32.9 7.167,-32.767 9.109,-32.767 9.6,-33.257 ; R?.2@9.6,-33.807 R?.2@9.6,-33.8 9.6,-33.257 ; v1@24.522,-30.404 24.766,-30.159 ; v1@24.522,-30.404 24.317,-30.608 24.749,-31.04 v1(24.749,-36.474) 24.813,-36.538 v1@24.875,-36.6 ; 24.766,-30.159 24.788,-30.159 24.848,-30.1 ; 24.766,-30.159 24.825,-30.1 24.848,-30.1 ; 24.848,-30.1 STM32.131@25.75,-30.1 26.705,-30.1 27.188,-29.617 27.188,-25.583 26.705,-25.1 ; v1@27.625,-16.236 27.625,-12.268 27.955,-11.938 29.956,-11.938 30.464,-11.43 30.464,-9.207 32.192,-7.48 33.055,-7.48 33.5,-7.035 ; 43.625,-37.592 43.625,-37.469 ; v1@46.031,-35.6 v1@46.085,-35.6 ; v1@46.085,-35.6 46.085,-34.849 45.552,-34.315 45.552,-29.532 45.984,-29.1 STM32.52@47,-29.1 48.295,-29.1 48.495,-29.3 SPI_3V3.1@49.8,-29.3 51.445,-29.3 51.731,-29.014 51.731,-23.553 50,-21.822 ENC_2.1@50,-19.4 ; 46.106,-24.1 45.263,-23.257 45.263,-19.953 46.116,-19.1 STM32.72@47,-19.1 48.346,-19.1 48.646,-19.4 49.006,-19.4 49.099,-19.4 ENC_2.1@50,-19.4 ; ENC_2.1@50,-19.4 51.501,-19.4 51.851,-19.05 51.851,-9.781 51.47,-9.4 51.191,-9.4
  Signal Layer 1 w0.152: v1(14.208,-2.616) 14.894,-1.93 v1(19.288,-1.93) ; v1(24.749,-36.855) 24.759,-36.846 35.615,-36.846 v1(35.625,-36.855) ; v1(24.749,-36.474) 34.681,-36.474 36.711,-34.444 45.755,-34.444 46.231,-34.92 46.231,-35.822 ; v1(46.02,-35.611) 46.231,-35.822 ; v1(46.443,-39.141) 46.443,-38.255 ; v1(47.127,-38.938) 46.443,-38.255 ; 46.231,-35.822 46.339,-35.93 ; 46.231,-35.822 46.231,-38.042 46.339,-38.151 ; 46.339,-38.151 46.443,-38.255 ; 46.339,-38.151 46.339,-35.93 ; 46.339,-35.93 46.443,-36.034 46.443,-38.255
  Signal Layer 2 w0.152: v1(33.935,-18.722) 33.477,-18.264 33.477,-13.333 33.388,-13.245 33.388,-10.385 v1(34,-9.773) ; v1(47.127,-38.938) 49.914,-41.726 49.914,-50.845 49.895,-50.864 v1(49.895,-52.273)
  Bottom Layer w0.152: ESP32.2@1.6,-45.64 5.716,-45.64 ; Buzzer.2@11.6,-23.3 14.676,-23.3 20.376,-29 C73.2@21,-29 21,-29.527 21.784,-30.312 v1@24.522,-30.312 ; v1(14,-53.924) 5.716,-45.64 ; C78.2@14.2,-1.8 14.2,-2.608 v1(14.208,-2.616) ; v1(19.288,-1.93) v1@19.3,-1.919 ; C77.2@19.3,-1.1 v1@19.3,-1.919 ; C71.2@21.3,-46.4 24.069,-46.4 25.4,-45.069 25.4,-39.688 ; C51.2@24,-5.1 C51.2@24,-4.775 ; v1(24.522,-30.442) v1@24.522,-30.312 ; v1(24.749,-36.601) 25.4,-37.252 C76.2@25.4,-38.7 25.4,-39.688 ; C72.2@25.9,-29.2 25.9,-30.074 25.662,-30.312 v1@24.522,-30.312 ; v1(27.619,-16.231) 28.345,-16.956 28.956,-16.956 29.5,-17.501 C70.2@29.5,-18.2 ; v1(28.077,-25.1) IDC*.5@28.92,-25.943 ; IDC*.5@28.92,-26 IDC*.5@28.92,-25.943 ; v1(28.92,-24.421) IDC*.5@28.92,-25.943 ; C75.2@30.2,-38.3 30.2,-39.688 29.882,-40.005 25.718,-40.005 25.4,-39.688 ; v1(33.5,-4.14) 39.088,-4.14 39.6,-4.653 ; C80.2@34,-10.6 v1(34,-9.773) v1(34,-9.136) ; C79.2@34.2,-2.3 34.2,-3.505 ; v1(39.1,-12.647) 39.6,-12.147 R25.2@39.6,-11.779 39.6,-8.788 R23.2@39.6,-5.779 39.6,-4.653 ; R49.1@46.6,-44.8 45.882,-44.8 45.857,-44.775 45.857,-40.462 46.085,-40.234 46.085,-38.3 R52.1@46.3,-38.3 46.806,-38.3 47.127,-38.621 v1(47.127,-38.938) ; I2C_3V3.1@49.8,-15.3 49.311,-15.3 49.311,-10.846 45.857,-7.391 45.857,-3.086 44.55,-1.779 R21.2@39.6,-1.779 39.6,-4.018 ; v1(49.895,-52.273) 49,-53.168 C74.2@49,-53.3 49,-53.315 37.373,-53.315 36.459,-52.4 31.988,-52.4 31.963,-52.426 31.963,-54.178 31.937,-54.204 28.125,-54.204 ; 5.716,-45.64 7.562,-45.64 16.406,-54.483 27.658,-54.483 28.125,-54.204 ; v1@19.3,-1.919 19.3,-2.996 21.079,-4.775 C51.2@24,-4.775 ; C51.2@24,-4.775 24,-4.394 24.889,-3.505 34.2,-3.505 ; 28.125,-54.204 uSD_slot.4@28.1,-53.3 28.1,-54.178 28.125,-54.204 ; 34.2,-3.505 39.088,-3.505 39.6,-4.018 ; 39.6,-4.653 39.6,-4.018
VCC_5V: DISPLAY.2 ENC_AB_1.1 ENC_AB_2.1 ENC_AB_3.1 ENC_AB_4.1 FLASH_PORT.1 I2C_5V.1 IDC*.7 IMU.4 SPI_5V.1 UART_5V_2.1 UART_RC_RECEIVER.1 | length 386.3
  Top Layer w0.152: v1(2.423,-5.41) 4.9,-7.888 ; 3.773,-22.4 3.797,-22.4 ; 3.908,-41.3 ENC_AB_1.1@5,-41.3 5,-40.552 6.461,-39.091 6.461,-34.062 7.452,-33.071 8.722,-33.071 8.747,-33.097 8.747,-41.148 9.966,-42.367 9.966,-51.565 9.941,-51.59 6.373,-51.59 5.9,-51.117 ENC_AB_2.1@5.9,-49.809 ; 4.023,-14.859 4.023,-22.375 4.048,-22.4 ; ENC_AB_2.1@5.9,-49.8 ENC_AB_2.1@5.9,-49.809 ; v1(7.909,-5.41) 6.313,-5.41 4.9,-6.824 4.9,-7.888 ; FLASH_PORT.1@20.7,-17.05 v1(20.7,-14.427) ; 3.797,-22.4 4.048,-22.4 ; 3.797,-22.4 3.337,-22.86 3.337,-28.778 4.81,-30.251 4.81,-31.9 UART_RC_RECEIVER.1@4.8,-31.9 3.805,-31.9 2.893,-31.9 2.473,-32.319 2.473,-47.676 4.607,-49.809 ENC_AB_2.1@5.9,-49.809 ; 4.048,-22.4 SPI_5V.1@4.9,-22.4 4.9,-7.888
  Signal Layer 1 w0.152: v1(15.402,-14.427) v1(20.7,-14.427) v1(23.911,-14.427) 33.106,-14.427 34.554,-12.979 36.519,-12.979 DISPLAY.2@37.84,-14.3 38.694,-14.3 38.733,-14.261 38.733,-13.936 47.169,-5.5 v1(47.533,-5.5)
  Signal Layer 2 w0.152: v1(7.909,-5.41) 7.909,-1.751 IMU.4@8.59,-1.07 8.59,-8.399 12.722,-12.532 13.507,-12.532 v1(15.402,-14.427)
  Bottom Layer w0.152: v1(2.423,-5.41) 2.423,0.406 -3.496,6.325 -3.496,8.687 -3.47,8.712 58.328,8.712 58.328,7.417 62.265,3.48 63.84,3.48 63.865,3.454 63.865,-58.395 63.84,-58.42 62.278,-58.42 59.433,-55.575 54.95,-55.575 54.62,-55.245 54.62,-49.273 51.546,-46.2 UART_5V_2.1@49.4,-46.2 49.387,-46.2 49.387,-44.237 47.108,-41.958 47.108,-40.205 48.625,-38.688 48.625,-37.825 48.651,-37.8 ENC_AB_4.1@49.7,-37.8 ; v1(23.911,-14.427) 24.089,-14.605 30.617,-14.656 30.617,-16.586 31.15,-17.12 32.23,-17.12 32.572,-17.462 32.73,-19.817 IDC*.7@32.73,-22.1 ; v1(47.533,-5.5) I2C_5V.1@50.1,-5.5 51.28,-5.5 51.41,-5.629 52.13,-5.629 52.156,-5.655 52.156,-25.324 51.58,-25.9 ENC_AB_3.1@49.9,-25.9
pads on no net: Buzzer. ENC_1.7 ENC_1.8 ENC_2.7 ENC_2.8 ENC_3.7 ENC_3.8 ENC_4.7 ENC_4.8 ENC_AB_1.7 ENC_AB_1.8 ENC_AB_2.7 ENC_AB_2.8 ENC_AB_3.7 ENC_AB_3.8 ENC_AB_4.7 ENC_AB_4.8 ESP32. ESP32.4 ESP32.5 ESP32.10 ESP32.11 ESP32.12 ESP32.13 ESP32.14 ESP32.16 ESP32.17 ESP32.18 ESP32.19 ESP32.20 ESP32.21 ESP32.22 ESP32.23 ESP32.32 FLASH_PORT.7 FLASH_PORT.8 I2C_3V3.2 I2C_3V3.7 I2C_3V3.8 I2C_5V.2 I2C_5V.7 I2C_5V.8 IMU.7 LED_UP.0 LIGHTS.0 mini_USB1.Shell mini_USB2.1 mini_USB2.4 SERVO.7 SERVO.8 SPI_3V3.7 SPI_3V3.8 SPI_5V.7 SPI_5V.8 STM32.2 STM32.3 STM32.6 STM32.7 STM32.8 STM32.9 STM32.12 STM32.13 STM32.14 STM32.15 STM32.26 STM32.32 STM32.40 STM32.45 STM32.46 STM32.49 STM32.50 STM32.53 STM32.56 STM32.57 STM32.63 STM32.65 STM32.73 STM32.74 STM32.78 STM32.79 STM32.80 STM32.85 STM32.86 STM32.87 STM32.88 STM32.89 STM32.90 STM32.105 STM32.109 STM32.113 STM32.116 STM32.117 STM32.118 STM32.119 STM32.125 STM32.133 STM32.134 STM32.139 STM32.140 STM32.143 U1.2 U1.6 U1.7 U1.14 U1.16 UART_3V3_2.7 UART_3V3_2.8 UART_5V_2.7 UART_5V_2.8 UART_RC_RECEIVER.7 UART_RC_RECEIVER.8 uSD_slot.

## Silkscreen, mask and mechanical layers (free items; w line width, h text height)
Top Overlay:
  circle w0.2: c-3.5,3.5 r3.4
  circle w0.2: c58.5,3.5 r3.4
  circle w0.2: c58.5,-58.5 r3.4
  circle w0.2: c-3.5,-58.5 r3.4

## Text inside footprints (layer, text, board x,y; h text height)
DISPLAY: Top Overlay "GND" at 34.6,-9.1 h1.52 r270; Top Overlay "VDD" at 37.1,-8.9 h1.52 r270; Top Overlay "SCK" at 39.6,-9.1 h1.52 r270; Top Overlay "SDA" at 42.4,-9 h1.52 r270
ESP32: Bottom Overlay "Antena" at 1.1,-48.1 h1.52 r180
IMU: Bottom Overlay "Pololu  / MinIMU-9  / v5 9DOF" at -0.3,-6.15 h1.02 r180; Bottom Overlay "SCL" at 1.783,-2.162 h0.76 r90; Bottom Overlay "SDA" at 4.323,-2.162 h0.76 r90; Bottom Overlay "GND" at 8.133,-2.162 h0.76 r90; Bottom Overlay "VIN" at 9.403,-2.162 h0.76 r90; Bottom Overlay "VDD" at 11.943,-2.162 h0.76 r90; Bottom Overlay "SA0" at 6.863,-4.702 h0.76 r90
uSD_slot: Bottom Overlay "uSD" at 30.65,-49.75 h1.52